# Altium PCB MCU3.0.PcbDoc (part 1 of 2)
Units mm, origin at the board's own origin, x right, y up, seen from the top; angles counter-clockwise.
Board outline 138.36 x 70.25 mm, 2 copper layers (Top Layer, Bottom Layer); 116 components, 134 nets, 579 pads, 231 vias.
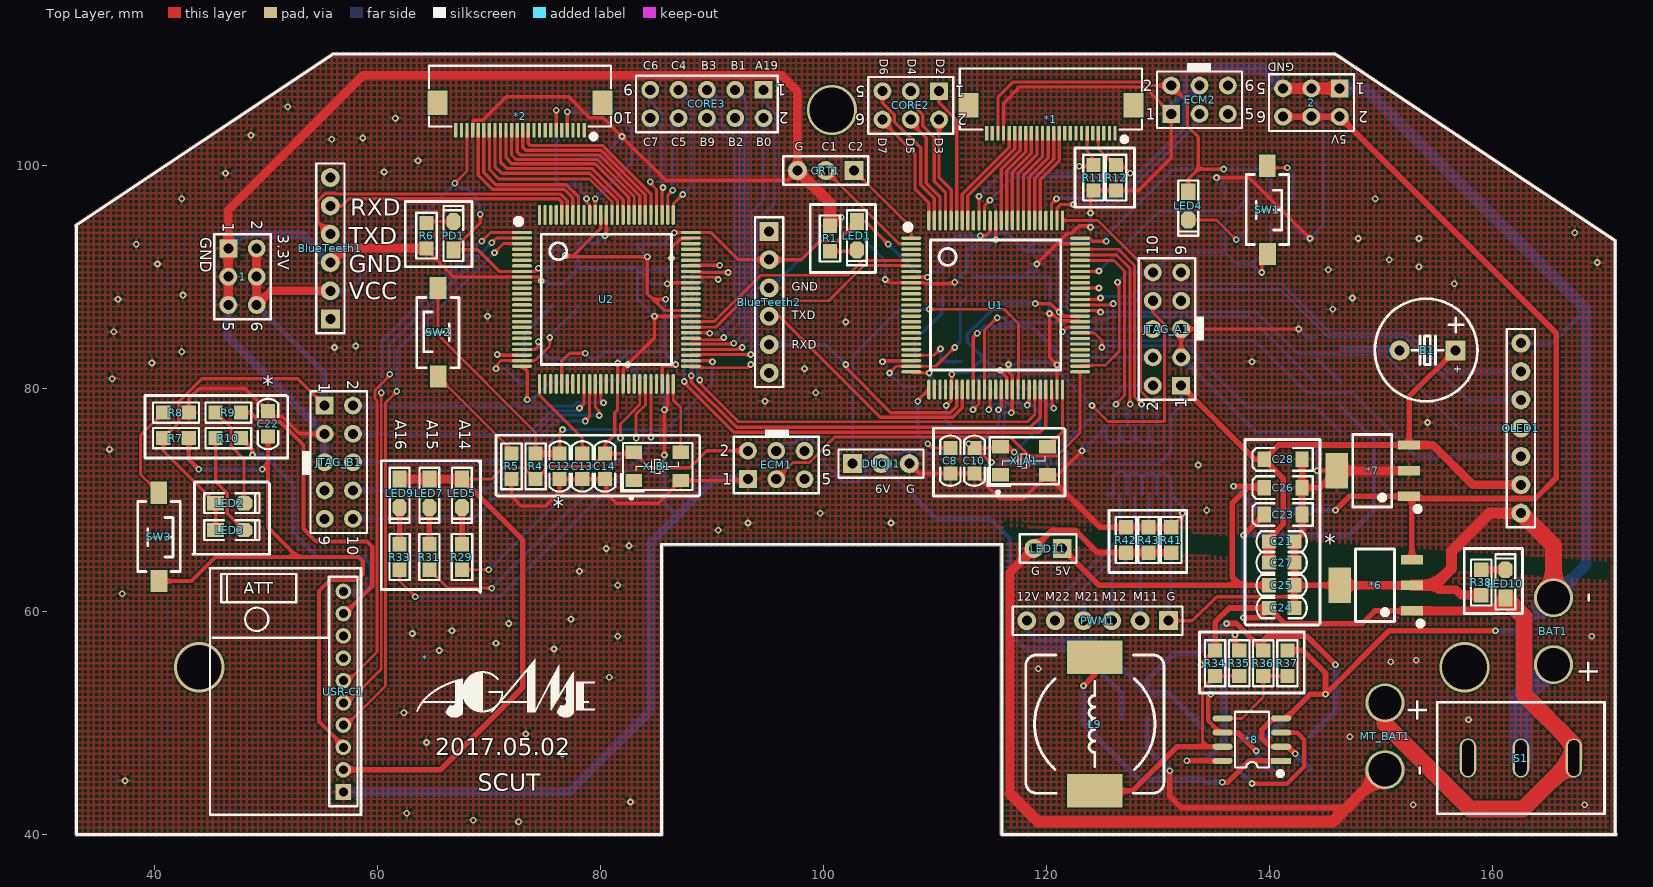
[diagram p0: Top Layer view]
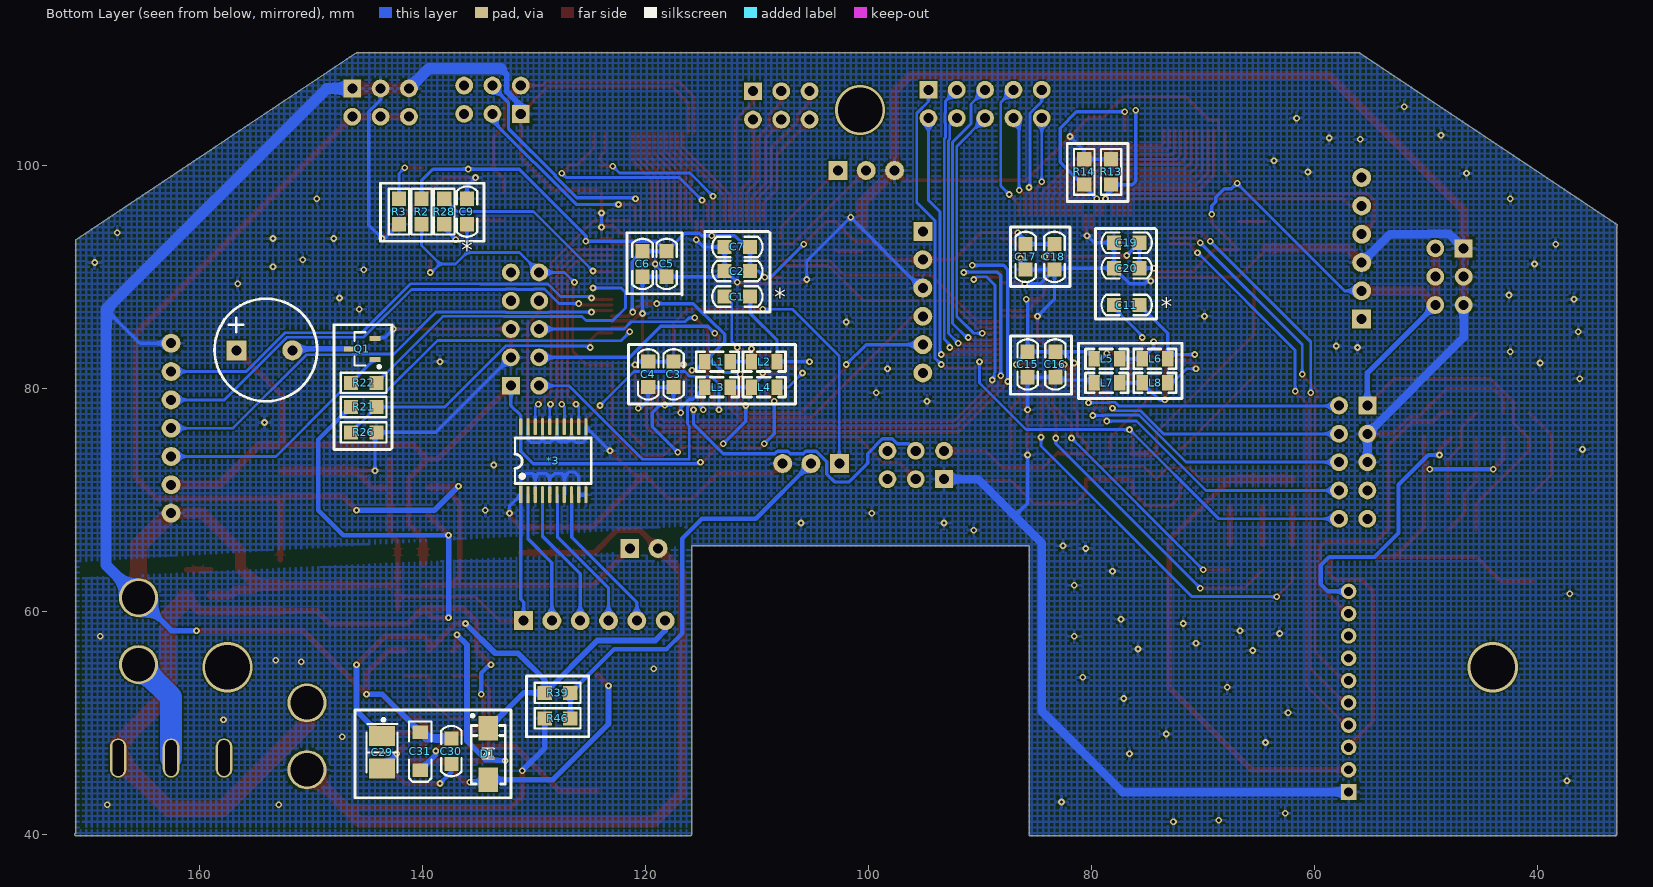
[diagram p1: Bottom Layer view, seen from below]

## Layer stack, top to bottom
Top Solder: solder mask 0.0102, Solder Resist, Dk 3.5
Top Layer: signal copper 0.0356
Dielectric 1: dielectric 0.32, FR-4, Dk 4.8
Bottom Layer: signal copper 0.0356
Bottom Solder: solder mask 0.0102, Solder Resist, Dk 3.5

## Board outline
32.934,39.91 ccw(c33.025,40) 33.025,39.873 85.471,39.873 ccw(c85.471,40) 85.598,40 85.598,65.913 115.873,65.913 115.873,40 ccw(c116,40) 116,39.873 171.069,39.873 ccw(c171.069,40) 171.196,40 ccw(c171.069,40) 171.127,40.113 171.127,93.264 ccw(c171,93.264) 171.07,93.37 171.071,93.37 171.07,93.37 145.967,110.106 ccw(c145.896,110) 145.896,110.127 56,110.127 ccw(c56,110) 55.929,110.106 32.89,94.746 ccw(c32.961,94.64) 32.873,94.548 32.873,40.025 ccw(c33,40.025) 32.91,39.934 32.91,39.935

## Design rules (kind name [scope] priority, off if disabled: settings)
Clearance [All] p1: gap=0.12
HoleSize [All] p1: absolutevalues=TRUE maxlimit=4 minlimit=0.254 maxpercent=80.000 minpercent=20.000
HoleToHoleClearance [All] p1: gap=0.1 allowstackedmicrovias=TRUE
MinimumSolderMaskSliver [All] p1: minsoldermaskwidth=0.09
PolygonConnect [All] p1: connectstyle=Relief reliefconductorwidth=0.254 reliefentries=4 polygonreliefangle="90 Angle" airgapwidth=0.254
RoutingVias [All] p1: holewidth=0.3 width=0.6 viastyle="Through Hole" minholewidth=0.3 minwidth=0.6 maxholewidth=0.8 maxwidth=1.6
SilkToSilkClearance [All] p1: silktosilkclearance=0
SilkToSolderMaskClearance [IsPad] p1: minsilkscreentomaskgap=0 clearancetoexposedcopper=TRUE
SolderMaskExpansion [All] p1: expansion=0.102
Width [All] p1: maxlimit=2 minlimit=0.1 preferedwidth=0.254 minimp=50.000000 maximp=50.000000 favimp=50.000000
25 further rules are at their usual default settings.

## Classes and differential pairs
component class CoreBoard1: C1 C2 C3 C4 C5 C6 C7 C8 C9 C10 JTAG_A1 L1 L2 L3 L4 LED1 R1 R2 R3 SW1 U1 X_A1
component class CoreBoard2: C11 C12 C13 C14 C15 C16 C17 C18 C19 C20 JTAG_B1 L5 L6 L7 L8 PD1 R4 R5 R6 SW2 U2 X_B1
component class MCU: * *1 *2 *3 B1 BlueTeeth1 BlueTeeth2 C21 C22 CRT1 DUOJI1 ECM1 ECM2 LED2 LED3 LED4 LED5 LED7 LED9 OLED1 PWM1 Q1 R7 R8 R9 R10 R11 R12 R13 R14 R21 R22 R26 R28 R29 R31 R33 SW3 USR-C1
component class Source: 1 2 *6 *7 *8 BAT1 C23 C24 C25 C26 C27 C28 C29 C30 C31 CORE2 CORE3 D1 L9 LED10 LED11 MT_BAT1 R34 R35 R36 R37 R38 R39 R41 R42 R43 R46 S1

## Components (designator, comment, footprint, x,y, rotation, side; value= is the part's Value field where it differs from the comment)
1 "Header3X2" HDR-3X2 46.609,92.583 r270 top
2 "Header3X2" HDR-3X2 146.304,106.934 r180 top
* "logo" Logo_0.15 64.262,55.753 r0 top
*1 "FPC24P" "FPC0.5 2H-S-W-24P" 120.396,105.41 r180 top
*2 "FPC24P" "FPC0.5 2H-S-W-24P" 72.771,105.664 r180 top
*3 "74LVC245" TSSOP-20 131.191,70.485 r90 bottom
*6 "LM2940" SOT223_N 149.479,62.357 r90 top
*7 "LM2937" SOT223_N 149.225,72.644 r90 top
*8 "MC34063" SOP8_N 138.43,48.514 r180 top
B1 "DC5V" "BEEP 5x9x5.5" 154.178,83.439 r90 top
BAT1 "Header 2" POWER 165.481,55.245 r90 top
BlueTeeth1 "HDR-1X6" HDR-1X6_M 55.753,86.233 r90 top
BlueTeeth2 "HDR-1X6" HDR-1X6_M 95.123,94.107 r270 top
C1 "105" "C 0805" 111.76,88.265 r180 bottom
C2 "104" "C 0805" 111.76,90.551 r180 bottom
C3 "104" "C 0805" 117.475,81.28 r270 bottom
C4 "104" "C 0805" 119.761,81.28 r270 bottom
C5 "104" "C 0805" 118.11,91.186 r90 bottom
C6 "104" "C 0805" 120.269,91.186 r90 bottom
C7 "104" "C 0805" 111.76,92.71 r180 bottom
C8 "104" "C 0805" 111.379,73.533 r90 top
C9 "105" "C 0805" 136.017,95.885 r270 bottom
C10 "104" "C 0805" 113.538,73.533 r90 top
C11 "105" "C 0805" 76.835,87.503 r180 bottom
C12 "105" "C 0805" 76.327,73.025 r90 top
C13 "104" "C 0805" 78.359,73.025 r90 top
C14 "104" "C 0805" 80.391,73.025 r90 top
C15 "104" "C 0805" 85.725,82.169 r90 bottom
C16 "104" "C 0805" 83.236,82.169 r90 bottom
C17 "104" "C 0805" 85.903,91.821 r90 bottom
C18 "104" "C 0805" 83.312,91.821 r90 bottom
C19 "104" "C 0805" 76.835,93.091 r180 bottom
C20 "104" "C 0805" 76.835,90.805 r180 bottom
C21 "105" "C 0805" 141.097,66.294 r180 top
C22 "105" "C 0805" 50.165,76.835 r270 top
C23 "Cap2" "CD A(3216)" 141.224,68.707 r0 top
C24 "104" "C 0805" 141.097,60.325 r180 top
C25 "104" "C 0805" 141.097,62.357 r180 top
C26 "Cap2" "CD A(3216)" 141.224,71.12 r0 top
C27 "104" "C 0805" 141.097,64.389 r180 top
C28 "Cap2" "CD A(3216)" 141.224,73.66 r0 top
C29 "Cap Pol1" 钽电容B型3528 143.51,47.244 r270 bottom
C30 "Cap" "C 0805" 137.414,47.484 r90 bottom
C31 "Cap Pol1" "CD A(3216)" 140.208,47.484 r90 bottom
CORE2 "Header3X2" HDR-3X2 110.363,106.68 r180 top
CORE3 "Header 5X2" HDR-5X2 94.615,106.807 r180 top
CRT1 "HDR-1X3" HDR-1X3 102.743,99.568 r180 top
D1 "IN5819" SMA 134.112,47.23 r90 bottom
DUOJI1 "HDR-1X3" HDR-1X3 102.616,73.279 r0 top
ECM1 "Header3X2" HDR-3X2 93.218,71.882 r0 top
ECM2 "Header3X2" HDR-3X2 131.191,104.648 r0 top
JTAG_A1 "Header 5X2" HDR-5X2 132.08,80.264 r90 top
JTAG_B1 "Header 5X2" HDR-5X2 55.245,78.486 r270 top
L1 "4.8nH" "L 0805" 113.538,82.423 r180 bottom
L2 "4.8nH" "L 0805" 109.347,82.423 r180 bottom
L3 "4.8nH" "L 0805" 113.538,80.137 r180 bottom
L4 "4.8nH" "L 0805" 109.347,80.137 r180 bottom
L5 "4.8nH" "L 0805" 78.613,82.677 r180 bottom
L6 "4.8nH" "L 0805" 74.295,82.677 r180 bottom
L7 "4.8nH" "L 0805" 78.613,80.518 r180 bottom
L8 "4.8nH" "L 0805" 74.295,80.518 r180 bottom
L9 "Inductor" CDRH125 124.333,49.911 r90 top
LED1 "红色" "LED 0805B" 102.997,93.726 r270 top
LED2 "红色" "LED 0805B" 46.736,69.723 r0 top
LED3 "红色" "LED 0805B" 46.736,67.31 r0 top
LED4 "红色" "LED 0805B" 132.715,96.393 r270 top
LED5 "红色" "LED 0805B" 67.564,70.612 r270 top
LED7 "红色" "LED 0805B" 64.643,70.612 r270 top
LED9 "红色" "LED 0805B" 61.976,70.612 r270 top
LED10 "红色" "LED 0805B" 161.163,62.484 r90 top
LED11 "HDR-1X2" HDR-1X2 121.412,65.659 r180 top
MT_BAT1 "Header 2" POWER 150.368,51.816 r270 top
OLED1 "OLED 1.3-12864_7pin" HDR-1X7_M 162.56,68.834 r90 top
PD1 "LED" "LED 0805R" 66.802,93.726 r90 top
PWM1 "HDR-1X6" HDR-1X6 130.937,59.182 r180 top
Q1 "SS8050" SOT23-3L 145.415,83.566 r90 bottom
R1 "10K" "R 0805" 100.584,93.472 r90 top
R2 "4.7K" "R 0805" 140.081,95.885 r90 bottom
R3 "100R" "R 0805" 142.113,95.885 r90 bottom
R4 "4.7K" "R 0805" 74.168,73.025 r270 top
R5 "100R" "R 0805" 72.009,73.025 r90 top
R6 "10K" "R 0805" 64.389,93.726 r270 top
R7 "4.7K" "R 0805" 41.91,75.565 r180 top
R8 "100R" "R 0805" 41.91,77.851 r180 top
R9 "10K" "R 0805" 46.609,77.851 r0 top
R10 "10K" "R 0805" 46.609,75.565 r0 top
R11 "150R" "R 0805" 124.206,98.933 r90 top
R12 "150R" "R 0805" 126.238,98.933 r90 top
R13 "150R" "R 0805" 78.232,99.441 r270 bottom
R14 "150R" "R 0805" 80.645,99.441 r270 bottom
R21 "20K" "R 0805" 145.288,78.359 r180 bottom
R22 "1K" "R 0805" 145.288,80.518 r0 bottom
R26 "10K" "R 0805" 145.288,76.073 r0 bottom
R28 "10K" "R 0805" 138.049,95.885 r90 bottom
R29 "10K" "R 0805" 67.564,64.897 r270 top
R31 "10K" "R 0805" 64.643,64.897 r270 top
R33 "10K" "R 0805" 61.976,64.897 r270 top
R34 "Res2" "R 0805" 135.128,55.372 r90 top
R35 "Res2" "R 0805" 137.287,55.372 r270 top
R36 "Res2" "R 0805" 139.446,55.372 r270 top
R37 "Res2" "R 0805" 141.605,55.372 r270 top
R38 "10K" "R 0805" 159.004,62.611 r270 top
R39 "Res2" "R 0805" 127.889,52.705 r180 bottom
R41 "Res2" "R 0805" 131.191,66.421 r270 top
R42 "Res2" "R 0805" 127.127,66.421 r270 top
R43 "Res2" "R 0805" 129.159,66.421 r270 top
R46 "Res2" "R 0805" 127.889,50.419 r180 bottom
S1 "SW-SPST" SW_P 162.56,46.863 r180 top
SW1 "3x6x5" "TSW SMD-3*6*2.5" 139.827,96.012 r270 top
SW2 "3x6x5" "TSW SMD-3*6*2.5" 65.405,85.09 r90 top
SW3 "3x6x5" "TSW SMD-3*6*2.5" 40.386,66.675 r270 top
U1 "MK60DN512VLL10" "LQFP100 14x14_N" 115.443,87.503 r270 top
U2 "MK60DN512VLL10" "LQFP100 14x14_N" 80.518,88.011 r270 top
USR-C1 "USR-C215" DIP2.0*1-10-M 56.896,43.815 r0 top
X_A1 "26M" XTAL-5032 117.983,73.533 r0 top
X_B1 "50M" XTAL-5032 85.09,73.025 r0 top

## Footprints (in the part's own frame and the unit in brackets; to place one, negate y for a bottom-side part, rotate by r counter-clockwise, add the part's x,y. Pads: shape width x height; smd on the part's side, far side on the other; paste and mask are expansions set on the pad)
"BEEP 5x9x5.5" [mm] "5*9*5.5mm(脚距,直径,高度)"
  rect 1.8x1.8 hole 0.9: 1(0,-2.5)
  round 1.8 hole 0.9: 2(0,2.5)
  silkscreen extent -4.57,-4.47 4.62,4.73, body extent -4.5,-4.5 4.5,4.5, height 5.45
"C 0805" [mil] "无极性贴片电容"
  rect 50x50 smd: 1(-45,0) 2(45,0)
  silkscreen extent -89,-36 89,36, body extent -39,-24 39,24, height 20
"CD A(3216)" [mm] "长3.2mm，宽1.6mm，厚1.6mm"
  rect 1.2x1.4 smd: 1(-1.7,0) 2(1.7,0)
  silkscreen extent -2.74,-1.02 2.67,1.02, body extent -1.6,-0.8 1.6,0.8, height 1.6
CDRH125 [mm] "12*12*5mm（长宽高）"
  rect 3x5 smd: 1(-6,0) 2(6,0)
  silkscreen extent -6.2,-6.2 6.2,6.2, body extent -6,-6 6,6, height 5.05
DIP2.0*1-10-M [mil]
  rect 55x55 hole 31.5: 1(1,0)
  round 55 hole 31.5: 2(1,78.74) 3(1,157.48) 4(1,236.22) 5(1,314.96) 6(1,393.7) 7(1,472.44) 8(1,551.18) 9(1,629.92) 10(1,708.66)
  silkscreen extent -470,-80 63,790
"FPC0.5 2H-S-W-24P" [mm] "长：16.2mm，宽：5.2mm，高：2mm"
  rect 1.8x2.2 smd: 0(-7.4,0) 0(7.4,0)
  rect 0.3x1.3 smd: 1(-5.75,2.497) 2(-5.25,2.497) 3(-4.75,2.497) 4(-4.25,2.497) 5(-3.75,2.497) 6(-3.25,2.497) 7(-2.75,2.497) 8(-2.25,2.497) 9(-1.75,2.497) 10(-1.25,2.497) 11(-0.75,2.497) 12(-0.25,2.497) 13(0.25,2.497) 14(0.75,2.497) 15(1.25,2.497) 16(1.75,2.497) 17(2.25,2.497) 18(2.75,2.497) 19(3.25,2.497) 20(3.75,2.497) 21(4.25,2.497) 22(4.75,2.497) 23(5.25,2.497) 24(5.75,2.497)
  silkscreen extent -8.17,-3.3 8.17,3.23, body extent -8.1,-3.15 8.1,2.85, height 2
HDR-1X2 [mm] "排针，2脚"
  rect 1.7x1.7 hole 0.9: 1(0,0)
  round 1.7 hole 0.9: 2(2.54,0)
  silkscreen extent -1.27,-1.27 3.81,1.27, body extent -1.27,-1.27 3.81,1.27, height 8.5
HDR-1X3 [mm] "排针，3脚"
  rect 1.7x1.7 hole 0.9: 1(0,0)
  round 1.7 hole 0.9: 2(2.54,0) 3(5.08,0)
  silkscreen extent -1.27,-1.27 6.35,1.27, body extent -1.27,-1.27 6.35,1.27, height 8.5
HDR-1X6 [mm] "排针，6脚"
  rect 1.7x1.7 hole 0.9: 1(0,0)
  round 1.7 hole 0.9: 2(2.54,0) 3(5.08,0) 4(7.62,0) 5(10.16,0) 6(12.7,0)
  silkscreen extent -1.27,-1.27 13.97,1.27, body extent -1.27,-1.27 13.97,1.27, height 8.5
HDR-1X6_M [mm] "排母，6脚"
  rect 1.7x1.7 hole 0.9: 1(0,0)
  round 1.7 hole 0.9: 2(2.54,0) 3(5.08,0) 4(7.62,0) 5(10.16,0) 6(12.7,0)
  silkscreen extent -1.27,-1.27 13.97,1.27, body extent -1.27,-1.27 13.97,1.27, height 8.5
HDR-1X7_M [mm] "排母，7脚"
  round 1.7 hole 0.9: 1(0,0) 2(2.54,0) 3(5.08,0) 4(7.62,0) 5(10.16,0) 6(12.7,0) 7(15.24,0)
  silkscreen extent -1.27,-1.27 16.51,1.27, body extent -1.27,-1.27 16.51,1.27, height 8.5
HDR-3X2 [mm] "双排排针，3x2脚"
  rect 1.6x1.6 hole 0.9: 1(0,0)
  round 1.6 hole 0.9: 2(0,2.54) 3(2.54,0) 4(2.54,2.54) 5(5.08,0) 6(5.08,2.54)
  silkscreen extent -1.27,-1.27 6.35,3.81, body extent -1.27,-1.27 6.35,3.81, height 8.5
HDR-5X2 [mm] "双排排针，5x2脚"
  rect 1.6x1.6 hole 0.9: 1(0,0)
  round 1.6 hole 0.9: 2(0,2.54) 3(2.54,0) 4(2.54,2.54) 5(5.08,0) 6(5.08,2.54) 7(7.62,0) 8(7.62,2.54) 9(10.16,0) 10(10.16,2.54)
  silkscreen extent -1.27,-1.27 11.43,3.81, body extent -1.27,-1.27 11.43,3.81, height 8.5
"L 0805" [mil] "小功率贴片电感"
  rect 40x55 smd: 1(-45,0) 2(45,0)
  silkscreen extent -75,-35 75,35, body extent -39,-24 39,24, height 35
"LED 0805B" [mil] "蓝色0805LED"
  rect 60x50 smd: 1(-50,0)
  oct 60x50 smd: 2(50,0)
  silkscreen extent -90,-35 105,35, body extent -39,-25 39,25, height 32
"LED 0805R" [mil] "红色0805LED"
  rect 60x50 smd: 1(-50,0)
  oct 60x50 smd: 2(50,0)
  silkscreen extent -90,-35 105,35, body extent -39,-25 39,25, height 32
Logo_0.15 [mm]
  silkscreen extent -0.78,-5.21 15.19,0
"LQFP100 14x14_N" [mm] "100脚，体宽14x14mm，脚距0.5mm"
  oval 0.3x1.8 smd: 1(-6,-7.575) 2(-5.5,-7.575) 3(-5,-7.575) 4(-4.5,-7.575) 5(-4,-7.575) 6(-3.5,-7.575) 7(-3,-7.575) 8(-2.5,-7.575) 9(-2,-7.575) 10(-1.5,-7.575) 11(-1,-7.575) 12(-0.5,-7.575) 13(0,-7.575) 14(0.5,-7.575) 15(1,-7.575) 16(1.5,-7.575) 17(2,-7.575) 18(2.5,-7.575) 19(3,-7.575) 20(3.5,-7.575) 21(4,-7.575) 22(4.5,-7.575) 23(5,-7.575) 24(5.5,-7.575) 25(6,-7.575) 51(6,7.575) 52(5.5,7.575) 53(5,7.575) 54(4.5,7.575) 55(4,7.575) 56(3.5,7.575) 57(3,7.575) 58(2.5,7.575) 59(2,7.575) 60(1.5,7.575) 61(1,7.575) 62(0.5,7.575) 63(0,7.575) 64(-0.5,7.575) 65(-1,7.575) 66(-1.5,7.575) 67(-2,7.575) 68(-2.5,7.575) 69(-3,7.575) 70(-3.5,7.575) 71(-4,7.575) 72(-4.5,7.575) 73(-5,7.575) 74(-5.5,7.575) 75(-6,7.575)
  oval 1.8x0.3 smd: 26(7.576,-6) 27(7.576,-5.5) 28(7.576,-5) 29(7.576,-4.5) 30(7.576,-4) 31(7.576,-3.5) 32(7.576,-3) 33(7.576,-2.5) 34(7.576,-2) 35(7.576,-1.5) 36(7.576,-1) 37(7.576,-0.5) 38(7.576,0) 39(7.576,0.5) 40(7.576,1) 41(7.576,1.5) 42(7.576,2) 43(7.576,2.5) 44(7.576,3) 45(7.576,3.5) 46(7.576,4) 47(7.576,4.5) 48(7.576,5) 49(7.576,5.5) 50(7.576,6) 76(-7.575,6) 77(-7.575,5.5) 78(-7.575,5) 79(-7.575,4.5) 80(-7.575,4) 81(-7.575,3.5) 82(-7.575,3) 83(-7.575,2.5) 84(-7.575,2) 85(-7.575,1.5) 86(-7.575,1) 87(-7.575,0.5) 88(-7.575,0) 89(-7.575,-0.5) 90(-7.575,-1) 91(-7.575,-1.5) 92(-7.575,-2) 93(-7.575,-2.5) 94(-7.575,-3) 95(-7.575,-3.5) 96(-7.575,-4) 97(-7.575,-4.5) 98(-7.575,-5) 99(-7.575,-5.5) 100(-7.575,-6)
  silkscreen extent -7.23,-8.12 5.84,5.84, body extent -8,-8 8,8, height 1.45
POWER [mm]
  round 3.5 hole 3: 1(0,0) 2(6,0)
"R 0805" [mil] "1/8W贴片电阻"
  rect 50x50 smd: 1(-45,0) 2(45,0)
  silkscreen extent -81,-36 81,36, body extent -39,-25 39,25, height 20
SMA [mm] "4.5x2.6*2.2mm（长宽高，不包括引脚）"
  rect 2.2x1.75 smd: 1(-2.3,0) 2(2.3,0)
  silkscreen extent -2.7,-1.52 3.56,1.52, body extent -2.53,-1.3 2.57,1.3, height 2.15
SOP8_N [mm] "5*6*1.8mm（长宽高）"
  rect 1.8x0.55 smd: 1(-2.625,1.905)
  oval 1.8x0.55 smd: 2(-2.625,0.635) 3(-2.625,-0.635) 4(-2.625,-1.905) 5(2.625,-1.905) 6(2.625,-0.635) 7(2.625,0.635) 8(2.625,1.905)
  silkscreen extent -2.69,-2.5 1.52,3.2, body extent -3,-2.5 3,2.5, height 1.9
SOT23-3L [mm] "3x1.3x1mm(长宽高)"
  rect 0.45x1 smd: 1(-0.95,-1.143) 2(0.95,-1.143) 3(0,1.125)
  silkscreen extent -1.72,-1.65 1.5,0.7, body extent -1.5,-1.2 1.5,1.2, height 1.05
SOT223_N [mm] "6.4x7x1.6mm(长宽高)"
  rect 0.85x2 smd: 1(-2.3,-3.302) 2(0,-3.302) 3(2.3,-3.302)
  rect 3.2x2 smd: 2(0,3.175)
  silkscreen extent -3.63,-4.26 3.25,1.75, body extent -3.25,-3.51 3.25,3.51, height 1.65
SW_P [mm]
  oval 1.5x3.5 hole 1 slot 3.2 at 90 deg: 1(-4.75,0) 2(0,0) 3(4.75,0)
  silkscreen extent -7.5,-5 7.5,5
TSSOP-20 [mil]
  rect 60x12 smd: 1(0,0)
  oval 60x12 smd: 2(0,-25.59) 3(0,-51.18) 4(0,-76.77) 5(0,-102.36) 6(0,-127.95) 7(0,-153.54) 8(0,-179.13) 9(0,-204.72) 10(0,-230.31) 11(240.16,-230.31) 12(240.16,-204.72) 13(240.16,-179.13) 14(240.16,-153.54) 15(240.16,-127.95) 16(240.16,-102.36) 17(240.16,-76.77) 18(240.16,-51.18) 19(240.16,-25.59) 20(240.16,0)
  silkscreen extent 40,-249 200,20, body extent 6,-254 234,24, height 79
"TSW SMD-3*6*2.5" [mm] "3*6*2.5mm"
  rect 2x1.5 smd: 1(-3.996,-0.02) 2(3.937,0)
  silkscreen extent -3.21,-1.9 3.09,1.9, body extent -4,-1.88 4,1.62, height 2.59
XTAL-5032 [mm]
  rect 1.5x1.2 smd: 1(-2.108,-1.27) 2(2.108,-1.27) 3(2.108,1.27) 4(-2.108,1.27)
  silkscreen extent -3.35,-2.95 3.15,2.11, body extent -2.5,-1.6 2.5,1.6, height 1
钽电容B型3528 [mm]
  rect 1.8x2.3 smd: 1(-1.577,-0.127) 2(1.323,-0.127)
  silkscreen extent -3.17,-1.52 1.65,1.27, body extent -1.98,-1.59 1.72,1.34, height 2.03

## Part data
1 2 CORE2 ECM1 ECM2: library part "Header 3X2", "3*2P接插件"
*7: library part LM2940
B1: library part BEEP, "蜂鸣器"
BAT1 MT_BAT1: "Header, 2-Pin"
BlueTeeth1 BlueTeeth2 PWM1: library part "Header 6", "6P接插件"
C1 C2 C3 C4 C5 C6 C7 C8 C9 C11 C12 C13 C15 C16 C17 C18 C19 C20 C21 C22: library part CAP, "Capacitor"
C10 C14: library part C, "无极性贴片电容"
C23 C26 C28 C30: "Capacitor"
C24 C25 C27: library part Cap, "Capacitor"
C29 C31: "Polarized Capacitor (Radial)"
CORE3 JTAG_A1 JTAG_B1: "5*2P接插件"
CRT1 DUOJI1: library part "Header 3", "3P接插件"
D1: library part Diode, "Default Diode"
L1 L2 L3 L4 L5 L6 L7 L8: library part Inductor, "Inductor"
LED1 LED2 LED3 LED4 LED5 LED7 LED9 LED10: library part LED-SMD, "贴片LED"
LED11: library part "Header 2", "2P接插件"
OLED1: "12864 点阵屏"
Q1: library part 8050-SMD, "高频放大-NPN型"
R1 R2 R3 R4 R5 R6 R7 R8 R9 R10 R11 R12 R13 R14 R21 R22 R26 R28 R29 R31 R33 R38: library part Res2, "Resistor"
R34 R35 R36 R37 R39 R41 R42 R43 R46: "Resistor"
S1: "Single-Pole, Single-Throw Switch"
SW1 SW2 SW3: library part "TSW 3x6", "3x6轻触开关"
U1 U2: library part MK60DN512ZVLQ10, "MK60DN512ZVLL10"
USR-C1: "串口转WIFI"
X_A1 X_B1: library part XTAL-4, "4脚晶振"

## Via types
v1: diameter 0.6, hole 0.3, Top Layer to Bottom Layer, tented both sides, 228 vias
v2: diameter 4.5, hole 4, Top Layer to Bottom Layer, tented both sides, 3 vias

## Nets (pads, with @x,y where several pads share a name; then routed paths per layer and width w, separated by ;. In a path a pad name is that pad's centre, name@x,y a point inside that pad or via, vN(x,y) a via of type N, cw(c..) or ccw(c..) an arc to the next point about the centre after c; other vN are vias at no path point)
3.3V: 1.2 1.4 1.6 *1.22 *2.22 *3.20 *7.3 B1.1 BlueTeeth1.2 BlueTeeth2.2 C2.2 C3.2 C4.2 C5.2 C6.2 C7.2 C10.2 C14.2 C15.2 C16.2 C17.2 C18.2 C19.2 C20.2 C21.2 C27.2 C28.1 ECM1.2 ECM2.2 JTAG_A1.1 JTAG_B1.1 L1.1 L5.1 LED1.1 LED2.1 LED3.1 LED4.1 LED5.1 LED7.1 LED9.1 OLED1.2 PD1.1 R2.2 R4.2 R7.2 U1.8 U1.30 U1.40 U1.44 U1.48 U1.61 U1.75 U1.89 U2.8 U2.30 U2.40 U2.48 U2.61 U2.75 U2.89 USR-C1.2 X_A1.4 X_B1.4 | length 472.4
  Top Layer w0.254: v1(66.929,98.425) 68.021,99.517 *2.22@68.021,103.167 ; LED5.1@67.564,71.882 70.231,71.882 71.247,72.898 73.152,72.898 R4.2@74.168,71.882 75.311,73.025 79.248,73.025 C14.2@80.391,74.168
  Top Layer w0.3: LED3.1@45.466,67.31 LED2.1@45.466,69.723 40.767,74.422 R7.2@40.767,75.565 42.148,76.946 42.148,78.81 44.237,80.899 52.832,80.899 JTAG_B1.1@55.245,78.486 ; v1(69.215,95.631) 69.215,94.869 PD1.1@66.802,92.456 68.961,92.456 70.906,90.511 U2.8@72.943,90.511 74.128,90.511 v1(74.422,90.805) ; U2.30@76.518,80.435 76.518,82.487 77.216,83.185 v1(78.613,83.185) ; U2.89@80.018,95.586 80.018,94.369 77.597,91.948 v1(76.835,91.948) 76.962,91.821 v1(84.201,91.821) 84.201,88.519 84.709,88.011 ; U2.40@81.518,80.435 81.518,78.089 81.28,77.851 81.28,75.863 80.391,74.974 C14.2@80.391,74.168 X_B1.4@82.855,74.168 ; U2.40@81.534,80.451 v1(81.534,82.296) ; X_B1.4@82.982,74.295 84.379,72.898 88.011,72.898 89.535,74.422 ECM1.2@93.218,74.422 ; U2.48@85.518,80.435 85.518,81.962 85.598,82.042 86.614,82.042 v1(86.741,82.169) ; v1(85.852,88.011) 84.709,88.011 ; v1(86.614,93.98) 86.645,94.011 U2.75@88.093,94.011 89.885,94.011 92.329,91.567 BlueTeeth2.2@95.123,91.567 98.012,91.567 99.679,93.234 101.235,93.234 LED1.1@102.997,94.996 103.759,94.996 v1(105.791,92.964) ; U2.61@88.093,87.011 85.709,87.011 84.709,88.011 ; U1.8@107.868,90.003 v1(109.307,90.003) ; v1(110.998,78.486) 111.443,78.931 U1.30@111.443,79.927 111.506,79.99 v1(111.506,81.28) ; v1(113.03,75.057) 113.03,75.184 C10.2@113.538,74.676 C10.2@113.665,74.676 ; v1(114.046,93.726) 114.554,93.726 114.943,94.115 U1.89@114.943,95.078 ; v1(115.062,73.406) 114.935,73.406 C10.2@113.665,74.676 ; *1.22@115.646,102.913 115.646,106.121 117.036,107.511 128.964,107.511 129.287,107.188 ECM2.2@131.191,107.188 132.631,105.748 132.631,103.548 133.604,102.575 133.604,99.695 ; X_A1.4@115.748,74.676 C10.2@113.665,74.676 ; v1(115.824,81.661) 116.136,81.349 116.136,81.348 116.443,81.041 U1.40@116.443,79.927 ; X_A1.4@115.875,74.803 116.586,74.803 v1(117.094,74.295) ; v1(118.276,78.525) 118.443,78.692 U1.44@118.443,79.927 ; v1(118.999,87.63) 120.396,87.63 v1(121.158,86.868) 121.523,86.503 U1.61@123.018,86.503 ; U1.48@120.443,79.927 120.493,79.877 120.493,78.389 v1(120.65,78.232) ; U1.75@123.049,93.472 123.893,93.472 124.147,93.218 v1(125.349,93.218) ; LED4.1@132.715,97.663 132.715,98.806 133.604,99.695 ; v1(135.89,99.695) 133.604,99.695
  Top Layer w0.5: JTAG_A1.1@132.08,80.264 138.684,73.66 C28.1@139.524,73.66 ; C21.2@139.954,66.294 139.954,66.548 141.224,67.818 141.224,71.96 C28.1@139.524,73.66 ; B1.1@156.678,83.439 152.527,79.288 *7.3@152.527,74.944 140.808,74.944 C28.1@139.524,73.66
  Top Layer w0.508: USR-C1.2@56.921,45.815 65.627,45.815 73.025,53.213 73.025,66.421 LED5.1@67.564,71.882
  Top Layer w0.762: 1.2@49.149,92.583 1.4@49.149,90.043 1.6@49.149,87.503 50.419,88.773 BlueTeeth1.2@55.753,88.773 ; LED9.1@61.976,71.882 LED7.1@64.643,71.882 LED5.1@67.564,71.882 ; C27.2@139.954,64.389 C21.2@139.954,66.294 ; *7.3@152.527,74.944 154.672,74.944 158.242,71.374 OLED1.2@162.56,71.374
  Bottom Layer w0.254: BlueTeeth1.2@55.753,88.773 57.277,88.773 v1(66.929,98.425)
  Bottom Layer w0.3: v1(66.929,98.425) 67.437,97.917 68.072,97.917 68.834,97.155 68.834,96.774 69.215,96.393 v1(69.215,95.631) ; v1(74.422,90.805) C20.2@75.692,90.805 C19.2@75.692,93.091 v1(76.835,91.948) ; v1(78.613,83.185) 79.121,82.677 L5.1@79.756,82.677 80.391,83.312 82.55,83.312 ; v1(81.534,82.296) 82.55,83.312 ; v1(84.201,91.821) 83.312,92.71 C18.2@83.312,92.964 C17.2@85.903,92.964 85.903,93.269 v1(86.614,93.98) ; v1(85.852,88.011) 85.725,87.884 C15.2@85.725,83.312 ; v1(86.741,82.169) 86.741,82.296 C15.2@85.725,83.312 ; v1(105.791,92.964) 108.752,90.003 v1(109.307,90.003) 109.855,90.551 C2.2@110.617,90.551 C7.2@110.617,92.71 110.998,92.71 112.014,93.726 v1(114.046,93.726) 114.975,93.726 115.194,93.945 116.494,93.945 C5.2@118.11,92.329 ; v1(110.998,78.486) 110.998,77.089 v1(113.03,75.057) ; v1(111.506,81.28) 111.681,81.455 113.015,81.455 113.983,82.423 L1.1@114.681,82.423 ; v1(115.062,73.406) 115.205,73.263 130.064,73.263 131.191,74.39 *3.20@131.191,76.585 131.191,77.597 132.08,78.486 JTAG_A1.1@132.08,80.264 ; v1(115.824,81.661) 115.443,81.661 L1.1@114.681,82.423 ; v1(117.094,74.295) 119.38,76.581 119.38,77.851 118.706,78.525 v1(118.276,78.525) 117.69,78.525 117.475,78.74 C3.2@117.475,80.137 C4.2@119.761,80.137 ; v1(118.999,87.63) 115.697,87.63 113.6,85.533 113.556,85.533 112.903,84.88 112.903,84.201 L1.1@114.681,82.423 ; C4.2@119.761,80.629 C4.2@119.761,80.137 ; v1@120.65,78.105 v1(120.65,78.232) 120.49,78.232 119.761,78.961 C4.2@119.761,80.137 ; v1(121.158,86.868) 121.204,86.914 121.204,91.394 C6.2@120.269,92.329 C5.2@118.11,92.329 ; R2.2@140.081,97.028 140.081,98.679 139.065,99.695 v1(135.89,99.695) 131.318,99.695 125.349,93.726 v1(125.349,93.218) 118.999,93.218 C5.2@118.11,92.329 ; 82.55,83.312 C16.2@83.236,83.312 C15.2@85.725,83.312
  Bottom Layer w0.5: 1.6@49.149,87.503 55.245,81.407 JTAG_B1.1@55.245,78.486
5V: 2.2 2.4 2.6 *6.3 *7.1 C25.2 C26.1 LED11.1 | length 115.9
  Top Layer w0.508: LED11.1@121.412,65.659 124.714,62.357 137.414,62.357 ; v1(136.779,71.247) C26.1@139.397,71.247 ; C26.1@139.524,71.12 138.049,71.12 136.652,69.723 136.652,63.119 137.414,62.357 ; C25.2@139.954,62.357 137.414,62.357 ; 2.6@141.224,104.394 2.4@143.764,104.394 2.2@146.304,104.394 165.735,84.963 165.735,72.009 163.876,70.15 152.527,70.15 *7.1@152.527,70.344 147.179,70.344 v1(145.923,69.088) ; *6.3@152.781,64.657 *7.1@152.781,70.09
  Bottom Layer w0.508: v1(136.779,71.247) 138.938,69.088 v1(145.923,69.088)
6V: DUOJI1.2 R39.2 R46.2 | length 37.4
  Bottom Layer w0.4: DUOJI1.2@105.156,73.279 110.109,68.326 114.935,68.326 116.713,66.548 116.713,58.039 118.11,56.642 122.809,56.642 R39.2@126.746,52.705 R46.2@126.746,50.419
12V: C29.1 D1.2 PWM1.6 R36.1 R39.1 | length 50.1
  Top Layer w0.508: v1(136.144,58.928) 137.033,58.928 R36.1@139.446,56.515 139.446,57.404 139.827,57.785 143.383,57.785 v1(145.923,55.245)
  Bottom Layer w0.508: 118.237,58.293 119.126,57.404 124.333,57.404 R39.1@129.032,52.705 ; D1.2@134.112,49.53 130.937,52.705 R39.1@129.032,52.705 ; v1(136.144,58.928) 133.477,56.261 131.445,56.261 129.032,53.848 R39.1@129.032,52.705 ; C29.1@143.637,48.821 145.923,51.107 v1(145.923,55.245)
ADC_BAT: R21.2 R26.2 U1.58 | length 27.6
  Top Layer w0.254: U1.58@123.018,85.003 124.293,85.003 124.968,84.328 v1(124.968,83.693)
  Bottom Layer w0.254: v1(124.968,83.693) 125.095,83.82 129.075,83.82 129.106,83.851 132.514,83.851 138.006,78.359 R21.2@144.145,78.359 R26.2@146.431,76.073
ADC_CRT_1: CRT1.1 U1.1 | length 8.2
  Top Layer w0.254: CRT1.1@102.743,99.568 107.868,94.443 U1.1@107.868,93.503
ADC_CRT_2: CRT1.2 U1.2 | length 10.4
  Top Layer w0.254: CRT1.2@100.203,99.568 106.768,93.003 U1.2@107.868,93.003
AGND: LED11.2 MT_BAT1.2 R41.2 R42.2 R43.2 R46.1 | length 97.5
  Top Layer w0.508: LED11.2@118.872,65.659 120.523,67.31 122.555,67.31 124.587,65.278 R42.2@127.127,65.278 R43.2@129.159,65.278 R41.2@131.191,65.278 ; v1(131.064,45.72) 131.064,43.434 132.08,42.418 146.97,42.418
  Top Layer w0.8: 116.713,43.688 116.713,63.5 LED11.2@118.872,65.659
  Top Layer w1: 116.713,43.688 119.253,41.148 145.7,41.148 146.97,42.418 MT_BAT1.2@150.368,45.816
  Bottom Layer w0.508: R46.1@129.032,50.419 129.032,47.752 v1(131.064,45.72)
  other v1: 152.908,42.672 168.275,42.672 147.193,48.768 157.861,50.292 119.253,54.864 150.876,55.499 153.162,55.626 168.91,57.785
BT_RXD_A: BlueTeeth2.5 U1.31 | length 21.2
  Top Layer w0.3: v1(101.981,82.169) 101.981,81.915 106.045,77.851 111.379,77.851 111.943,78.415 U1.31@111.943,79.927
  Bottom Layer w0.3: BlueTeeth2.5@95.123,83.947 100.203,83.947 v1(101.981,82.169)
BT_RXD_B: BlueTeeth1.5 U2.96 | length 22.3
  Top Layer w0.3: BlueTeeth1.5@55.753,96.393 56.769,96.393 57.404,97.028 76.241,97.028 76.518,96.751 U2.96@76.518,95.586
BT_TXD_A: BlueTeeth2.4 U1.32 | length 23.1
  Top Layer w0.3: BlueTeeth2.4@95.123,86.487 96.012,86.487 105.068,77.431 111.594,77.431 112.443,78.28 U1.32@112.443,79.927
BT_TXD_B: BlueTeeth1.4 U2.95 | length 27.7
  Top Layer w0.3: BlueTeeth1.4@55.753,93.853 54.61,94.996 54.633,95.019 54.633,96.857 55.289,97.513 56.217,97.513 56.272,97.458 76.405,97.458 77.018,96.845 U2.95@77.018,95.586
BUZ_A: R22.1 U1.66 | length 31.6
  Top Layer w0.254: U1.66@123.043,89.027 v1(124.714,89.027)
  Bottom Layer w0.254: v1(124.714,89.027) 122.174,89.027 121.793,88.646 121.793,87.249 122.936,86.106 125.349,86.106 125.706,86.463 132.669,86.463 132.693,86.487 138.176,86.487 R22.1@144.145,80.518
CAM_A_D0: *1.11 U1.80 | length 8.5
  Top Layer w0.3: U1.80@119.443,95.078 119.443,98.732 121.146,100.435 *1.11@121.146,102.913
CAM_A_D1: *1.12 U1.81 | length 8.5
  Top Layer w0.3: U1.81@118.943,95.078 118.943,98.869 120.646,100.572 *1.12@120.646,102.913
CAM_A_D2: *1.13 U1.82 | length 8.5
  Top Layer w0.3: U1.82@118.443,95.078 118.443,99.005 120.146,100.708 *1.13@120.146,102.913
CAM_A_D3: *1.14 U1.83 | length 8.5
  Top Layer w0.3: U1.83@117.943,95.078 117.943,99.141 119.646,100.844 *1.14@119.646,102.913
CAM_A_D4: *1.15 U1.84 | length 8.5
  Top Layer w0.3: U1.84@117.443,95.078 117.443,99.278 119.146,100.981 *1.15@119.146,102.913
CAM_A_D5: *1.16 U1.85 | length 8.5
  Top Layer w0.3: U1.85@116.943,95.078 116.943,99.414 118.646,101.117 *1.16@118.646,102.913
CAM_A_D6: *1.17 U1.86 | length 8.5
  Top Layer w0.3: U1.86@116.443,95.078 116.443,99.551 118.146,101.254 *1.17@118.146,102.913
CAM_A_D7: *1.18 U1.87 | length 8.5
  Top Layer w0.3: U1.87@115.943,95.078 115.943,99.687 117.646,101.39 *1.18@117.646,102.913
CAM_B_D0: *2.11 U2.80 | length 15.9
  Top Layer w0.3: *2.11@73.521,103.167 73.521,101.993 73.709,101.805 80.211,101.805 84.518,97.498 U2.80@84.518,95.586
CAM_B_D1: *2.12 U2.81 | length 16.1
  Top Layer w0.3: *2.12@73.021,103.167 73.021,101.643 73.279,101.385 80.037,101.385 84.018,97.404 U2.81@84.018,95.586
CAM_B_D2: *2.13 U2.82 | length 16.3
  Top Layer w0.3: *2.13@72.521,103.167 72.521,101.215 72.771,100.965 79.863,100.965 83.518,97.31 U2.82@83.518,95.586
CAM_B_D3: *2.14 U2.83 | length 16.4
  Top Layer w0.254: *2.14@72.021,103.167 72.021,100.953 72.406,100.568 79.698,100.568 83.018,97.248 U2.83@83.018,95.586
CAM_B_D4: *2.15 U2.84 | length 16.5
  Top Layer w0.3: *2.15@71.521,103.167 71.521,100.691 72.041,100.171 79.534,100.171 82.518,97.187 U2.84@82.518,95.586
CAM_B_D5: *2.16 U2.85 | length 16.6
  Top Layer w0.3: *2.16@71.021,103.167 71.021,100.302 71.572,99.751 79.204,99.751 82.018,96.937 U2.85@82.018,95.586
CAM_B_D6: *2.17 U2.86 | length 16.8
  Top Layer w0.3: *2.17@70.521,103.167 70.521,99.913 71.12,99.314 79.047,99.314 81.518,96.843 U2.86@81.518,95.586
CAM_B_D7: *2.18 U2.87 | length 16.9
  Top Layer w0.254: *2.18@70.021,103.167 70.021,99.651 70.866,98.806 78.994,98.806 81.018,96.782 U2.87@81.018,95.586
CAM_PCL_A: *1.4 R12.2 U1.90 | length 20.8
  Top Layer w0.254: U1.90@114.443,95.078 114.443,96.409 v1(114.935,96.901) ; *1.4@124.646,102.913 124.646,101.541 126.111,100.076 R12.2@126.238,100.076 126.746,100.076 v1(127.508,99.314)
  Bottom Layer w0.254: v1(114.935,96.901) 116.967,98.933 127.127,98.933 v1(127.508,99.314)
CAM_PCL_B: *2.4 R14.2 U2.90 | length 17.2
  Top Layer w0.3: *2.4@77.021,103.167 v1(77.021,104.843) ; U2.90@79.518,95.586 v1(79.518,97.044)
  Bottom Layer w0.3: v1(77.021,104.843) 81.339,104.843 82.804,103.378 82.804,100.33 v1(79.518,97.044)
CAM_SCL_A: *1.19 U1.93 | length 9.6
  Top Layer w0.3: U1.93@112.943,95.078 112.943,97.322 115.493,99.872 115.493,99.873 117.146,101.526 *1.19@117.146,102.913
CAM_SCL_B: *2.19 U2.93 | length 14.8
  Top Layer w0.3: *2.19@69.521,103.167 69.521,99.389 70.612,98.298 76.921,98.298 78.018,97.201 U2.93@78.018,95.586
CAM_SDA_A: *1.20 U1.94 | length 9.6
  Top Layer w0.3: U1.94@112.443,95.078 112.443,97.458 115.043,100.058 115.043,100.06 116.646,101.663 *1.20@116.646,102.913
CAM_SDA_B: *2.20 U2.94 | length 14.9
  Top Layer w0.3: *2.20@69.021,103.167 69.021,99.127 70.27,97.878 76.747,97.878 77.518,97.107 U2.94@77.518,95.586
CAM_VS_A: *1.6 R11.2 U1.91 | length 16.5
  Top Layer w0.254: U1.91@113.943,95.078 v1(113.943,97.258) ; v1(122.936,99.949) R11.2@124.079,99.949 ; *1.6@123.646,102.913 123.646,101.292 124.079,100.859 124.079,100.563 R11.2@123.719,100.203
  Bottom Layer w0.254: v1(113.943,97.258) 116.022,99.337 122.324,99.337 v1(122.936,99.949)
CAM_VS_B: *2.6 R13.2 U2.91 | length 13.1
  Top Layer w0.3: *2.6@76.021,103.167 v1(76.021,104.977) ; v1(78.74,97.028) 78.74,96.708 79.018,96.43 U2.91@79.018,95.586
  Bottom Layer w0.3: v1(76.021,104.977) 76.021,98.604 76.327,98.298 R13.2@78.232,98.298 ; R13.2@78.232,97.79 78.74,97.282 v1(78.74,97.028)
D: U1.57